# Altium PCB UmTRXv2.PcbDoc (part 16 of 25) (continued)
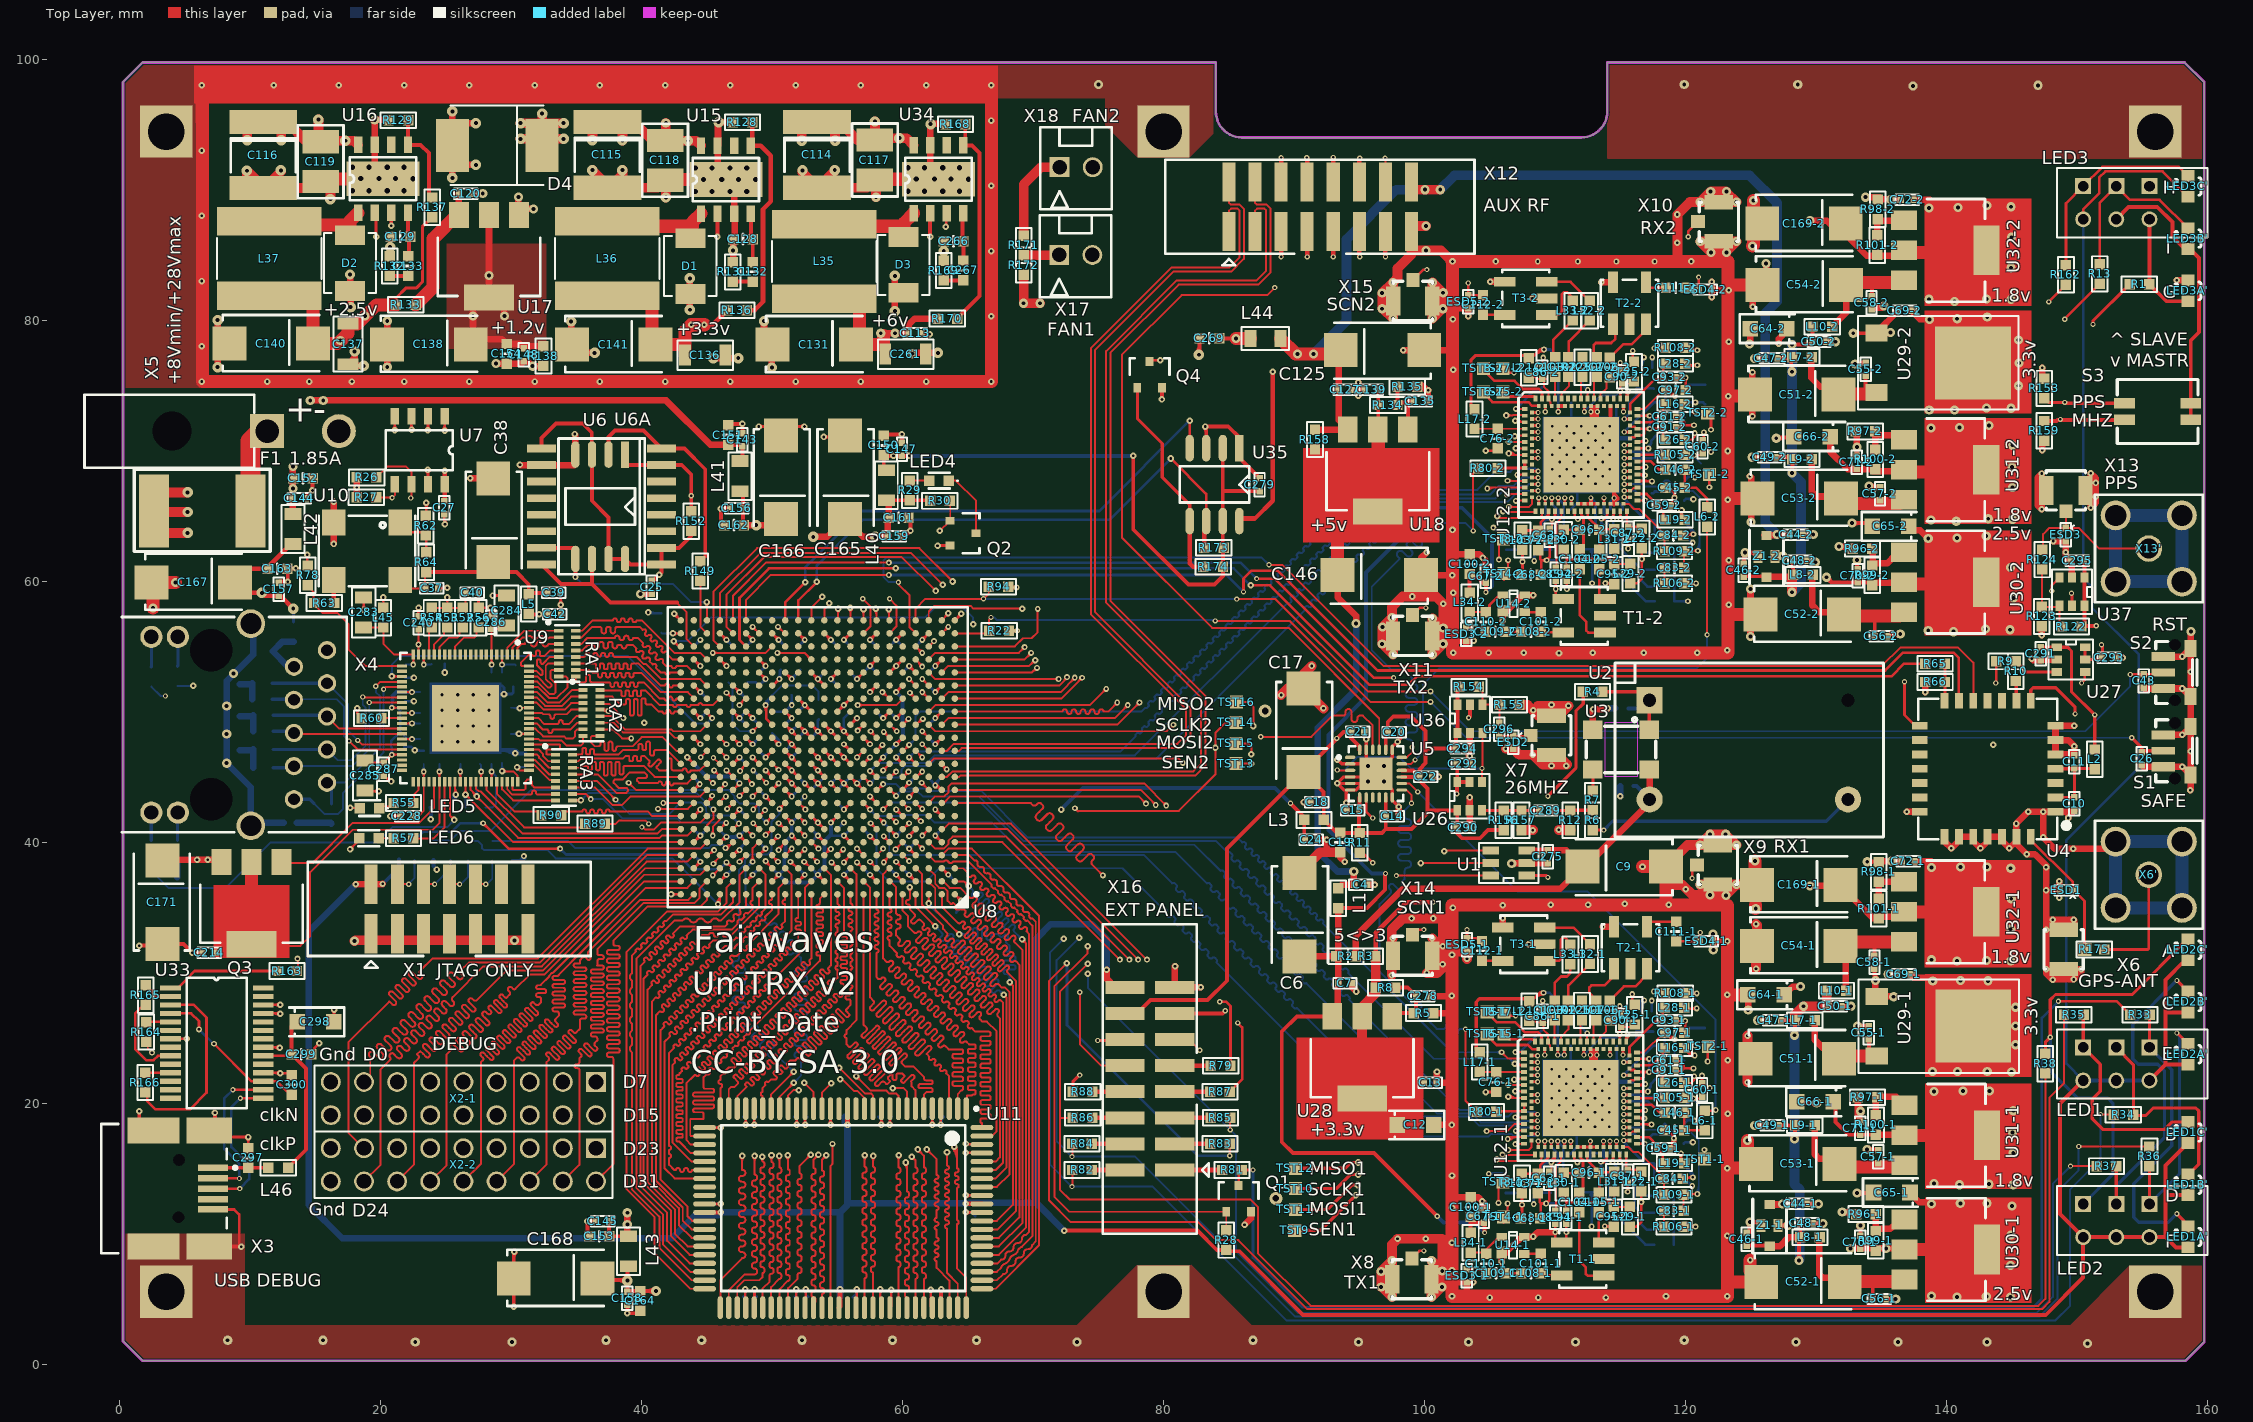
[diagram p0: Top Layer view]
## Nets (pads, with @x,y where several pads share a name; then routed paths per layer and width w, separated by ;. In a path a pad name is that pad's centre, name@x,y a point inside that pad or via, vN(x,y) a via of type N, cw(c..) or ccw(c..) an arc to the next point about the centre after c; other vN are vias at no path point) (continued)
RAM_A19: U8.A15 U11.43 | length 39.8
  Top Layer w0.15: 42.04,27.973 41.998,27.931 ccw(c42.083,27.846) 41.998,27.761 42.055,27.705 42.111,27.648 cw(c42.026,27.563) 42.111,27.478 42.069,27.436 cw(c41.984,27.521) 41.899,27.436 41.842,27.492 41.786,27.549 ccw(c41.701,27.464) 41.616,27.549 41.574,27.507 ccw(c41.659,27.422) 41.574,27.337 41.687,27.224 cw(c41.602,27.139) 41.687,27.054 41.644,27.012 cw(c41.56,27.096) 41.475,27.012 ccw(c41.418,26.955) 41.362,27.012 41.1,26.75 41.1,14.05 43.15,12 43.15,11 43.825,10.325 U11.43@44.825,10.325 ; 42.041,27.973 cw(c42.125,27.888) 42.21,27.973 42.267,27.917 42.323,27.86 ccw(c42.408,27.945) 42.493,27.86 42.535,27.903 ccw(c42.451,27.987) 42.535,28.072 42.479,28.129 42.422,28.185 ; 42.422,28.186 cw(c42.507,28.27) 42.422,28.355 42.465,28.398 ; 42.465,28.398 cw(c42.55,28.313) 42.634,28.398 42.691,28.341 42.748,28.284 ccw(c42.832,28.369) 42.917,28.284 42.96,28.327 ; 42.96,28.327 ccw(c42.875,28.412) 42.96,28.497 42.903,28.553 42.847,28.61 cw(c42.931,28.695) 42.846,28.779 42.889,28.822 cw(c42.974,28.737) 43.059,28.822 43.115,28.765 43.172,28.709 ccw(c43.257,28.794) 43.341,28.709 43.384,28.751 ccw(c43.299,28.836) 43.384,28.921 ; 43.384,28.921 43.271,29.034 cw(c43.356,29.119) 43.271,29.204 43.313,29.246 cw(c43.398,29.161) 43.483,29.246 43.54,29.19 43.596,29.133 ccw(c43.681,29.218) 43.766,29.133 ; 43.766,29.133 43.808,29.175 ccw(c43.723,29.26) 43.808,29.345 43.752,29.402 43.695,29.458 cw(c43.78,29.543) 43.695,29.628 43.737,29.67 cw(c43.822,29.585) 43.907,29.67 43.964,29.614 44.02,29.557 ccw(c44.105,29.642) 44.19,29.557 ; 44.119,30.052 ccw(c44.204,29.967) 44.119,29.882 44.176,29.826 44.232,29.769 cw(c44.148,29.684) 44.232,29.6 44.19,29.557 ; 44.119,30.052 44.162,30.095 cw(c44.247,30.01) 44.331,30.095 44.388,30.038 44.445,29.981 ccw(c44.529,30.066) 44.614,29.981 44.657,30.024 ccw(c44.572,30.109) 44.657,30.194 44.6,30.25 44.544,30.307 cw(c44.628,30.392) 44.543,30.476 44.586,30.519 cw(c44.671,30.434) 44.756,30.519 44.812,30.462 44.869,30.406 ccw(c44.954,30.491) 45.038,30.406 45.081,30.448 ccw(c44.996,30.533) 45.081,30.618 45.024,30.674 44.968,30.731 cw(c45.053,30.816) 44.968,30.901 45.01,30.943 cw(c45.095,30.858) 45.18,30.943 45.237,30.887 45.293,30.83 ccw(c45.378,30.915) 45.463,30.83 45.505,30.872 ccw(c45.42,30.957) 45.505,31.042 45.449,31.099 45.392,31.155 cw(c45.477,31.24) 45.392,31.325 ; 45.392,31.325 45.435,31.367 cw(c45.519,31.283) 45.604,31.367 45.661,31.311 45.717,31.254 ccw(c45.802,31.339) 45.887,31.254 ; 45.816,31.749 ccw(c45.901,31.664) 45.816,31.58 45.873,31.523 45.93,31.466 cw(c45.845,31.382) 45.93,31.297 45.887,31.254 ; 45.816,31.749 45.859,31.792 cw(c45.944,31.707) 46.029,31.792 ccw(c46.085,31.848) 46.142,31.792 46.4,32.05 46.77,32.05 cw(c46.77,31.97) 46.85,31.97 ccw(c46.97,31.97) 46.97,31.85 47.03,31.85 ccw(c47.03,31.97) 47.15,31.97 cw(c47.23,31.97) 47.23,32.05 47.501,32.321 cw(c47.523,32.3) 47.544,32.321 ccw(c47.629,32.406) 47.714,32.321 47.756,32.364 ccw(c47.671,32.449) 47.756,32.534 cw(c47.777,32.555) 47.756,32.576 47.926,32.746 cw(c47.947,32.724) 47.968,32.746 ccw(c48.053,32.831) 48.138,32.746 48.18,32.788 ccw(c48.095,32.873) 48.18,32.958 cw(c48.201,32.979) 48.18,33 ; 48.18,33 48.35,33.17 cw(c48.371,33.149) 48.392,33.17 ccw(c48.477,33.255) 48.562,33.17 48.604,33.212 ccw(c48.52,33.297) 48.604,33.382 cw(c48.626,33.403) 48.604,33.424 48.774,33.594 cw(c48.795,33.573) 48.817,33.594 ccw(c48.901,33.679) 48.986,33.594 49.029,33.637 ccw(c48.944,33.721) 49.029,33.806 cw(c49.05,33.828) 49.029,33.849 49.198,34.018 ; 49.199,34.019 cw(c49.22,33.997) 49.241,34.018 ccw(c49.326,34.103) 49.411,34.018 49.453,34.061 ccw(c49.368,34.146) 49.453,34.231 cw(c49.474,34.252) 49.453,34.273 50,34.82 50,35.13 ccw(c49.88,35.13) 49.88,35.25 49.87,35.25 cw(c49.87,35.37) 49.75,35.37 49.75,35.43 cw(c49.87,35.43) 49.87,35.55 49.88,35.55 ccw(c49.88,35.67) 50,35.67 U8.A15@50,36
RAM_A20: U8.B14 U11.42 | length 39.9
  Top Layer w0.15: 42.56,26.993 ccw(c42.645,26.908) 42.56,26.823 42.617,26.767 42.673,26.71 cw(c42.588,26.625) 42.673,26.541 42.631,26.498 ; 42.56,26.993 42.603,27.035 cw(c42.687,26.951) 42.772,27.035 42.829,26.979 42.885,26.922 ccw(c42.97,27.007) 43.055,26.922 43.098,26.965 ccw(c43.013,27.05) 43.098,27.134 43.041,27.191 42.984,27.248 cw(c43.069,27.332) 42.984,27.417 ; 42.631,26.498 cw(c42.546,26.583) 42.461,26.498 42.405,26.555 42.348,26.611 ccw(c42.263,26.526) 42.178,26.611 42.136,26.569 ccw(c42.221,26.484) 42.136,26.399 42.192,26.342 42.249,26.286 cw(c42.164,26.201) 42.249,26.116 42.207,26.074 cw(c42.122,26.159) 42.037,26.074 41.924,26.187 ccw(c41.839,26.102) 41.754,26.187 41.712,26.144 ccw(c41.796,26.06) 41.712,25.975 cw(c41.655,25.918) 41.712,25.862 41.45,25.6 41.45,14.132 43.5,12.082 43.5,11.35 43.875,10.975 U11.42@44.825,10.975 ; 42.984,27.417 43.027,27.46 cw(c43.112,27.375) 43.197,27.46 43.253,27.403 43.31,27.347 ccw(c43.395,27.431) 43.479,27.346 43.522,27.389 ccw(c43.437,27.474) 43.522,27.559 43.465,27.615 43.409,27.672 cw(c43.494,27.757) 43.409,27.841 43.451,27.884 ; 43.451,27.884 cw(c43.536,27.799) 43.621,27.884 43.734,27.771 ccw(c43.819,27.856) 43.904,27.771 43.946,27.813 ; 43.875,28.308 43.833,28.266 ccw(c43.918,28.181) 43.833,28.096 43.89,28.04 43.946,27.983 cw(c43.861,27.898) 43.946,27.813 ; 43.876,28.308 cw(c43.96,28.223) 44.045,28.308 44.102,28.252 44.158,28.195 ccw(c44.243,28.28) 44.328,28.195 44.37,28.238 ; 44.371,28.238 ccw(c44.285,28.322) 44.37,28.407 44.314,28.464 44.257,28.52 cw(c44.342,28.605) 44.257,28.69 44.3,28.732 cw(c44.384,28.648) 44.469,28.733 44.526,28.676 44.582,28.619 ccw(c44.667,28.704) 44.752,28.619 44.795,28.662 ccw(c44.71,28.747) 44.795,28.831 44.738,28.888 44.681,28.945 cw(c44.766,29.029) 44.681,29.114 44.724,29.157 cw(c44.809,29.072) 44.894,29.157 44.95,29.1 45.007,29.044 ccw(c45.092,29.128) 45.176,29.043 45.219,29.086 ccw(c45.134,29.171) 45.219,29.256 45.162,29.312 45.106,29.369 cw(c45.191,29.454) 45.106,29.538 45.148,29.581 cw(c45.233,29.496) 45.318,29.581 45.374,29.524 45.431,29.468 ccw(c45.516,29.553) 45.601,29.468 45.643,29.51 ; 45.53,29.793 45.587,29.737 45.643,29.68 cw(c45.558,29.595) 45.643,29.51 ; 45.53,29.793 cw(c45.615,29.878) 45.53,29.963 45.572,30.005 ; 45.573,30.005 cw(c45.657,29.92) 45.742,30.005 45.799,29.949 45.855,29.892 ccw(c45.94,29.977) 46.025,29.892 46.067,29.935 ; 46.068,29.935 ccw(c45.983,30.019) 46.067,30.104 46.011,30.161 45.954,30.217 cw(c46.039,30.302) 45.954,30.387 45.997,30.43 cw(c46.082,30.345) 46.166,30.43 ; 46.166,30.43 46.223,30.373 46.28,30.316 ccw(c46.364,30.401) 46.449,30.316 46.492,30.359 ccw(c46.407,30.444) 46.492,30.528 46.379,30.642 cw(c46.463,30.727) 46.378,30.811 46.421,30.854 cw(c46.506,30.769) 46.591,30.854 46.647,30.797 46.704,30.741 ccw(c46.789,30.826) 46.873,30.741 46.916,30.783 ccw(c46.831,30.868) 46.916,30.953 46.859,31.009 46.803,31.066 cw(c46.888,31.151) 46.803,31.235 ; 46.803,31.236 46.845,31.278 cw(c46.93,31.193) 47.015,31.278 47.018,31.275 ccw(c47.071,31.329) 47.125,31.275 47.275,31.275 47.499,31.499 ccw(c47.443,31.556) 47.499,31.613 cw(c47.584,31.697) 47.499,31.782 47.542,31.825 cw(c47.627,31.74) 47.711,31.825 47.768,31.768 47.825,31.712 ccw(c47.91,31.796) 47.994,31.712 48.037,31.754 ccw(c47.952,31.839) 48.037,31.924 cw(c48.093,31.98) 48.037,32.037 50.5,34.5 50.5,36.5 U8.B14@51,37
RAM_BWN0: U8.C4 U11.93 | length 40.3
  Top Layer w0.15: U8.C4@61,38 61.05,38 61.5,37.55 61.5,35.199 63.1,33.599 63.1,33.35 63.394,33.056 cw(c63.27,32.932) 63.394,32.809 63.298,32.713 ccw(c63.422,32.589) 63.298,32.466 ccw(c63.422,32.589) 63.546,32.466 63.641,32.561 cw(c63.765,32.438) 63.889,32.561 cw(c63.765,32.438) 63.889,32.314 63.793,32.218 ccw(c63.917,32.094) 63.793,31.971 ccw(c63.917,32.094) 64.041,31.971 64.479,32.409 cw(c64.603,32.286) 64.727,32.409 cw(c64.603,32.286) 64.727,32.162 64.507,31.943 64.29,31.725 ccw(c64.414,31.602) 64.29,31.478 ccw(c64.414,31.602) 64.538,31.478 64.755,31.695 64.974,31.914 cw(c65.098,31.791) 65.222,31.914 cw(c65.098,31.791) 65.222,31.667 65.002,31.448 64.788,31.233 ccw(c64.912,31.109) 64.788,30.985 ccw(c64.912,31.109) 65.035,30.985 65.25,31.2 65.469,31.419 cw(c65.593,31.296) 65.717,31.419 cw(c65.593,31.296) 65.717,31.172 65.278,30.733 ccw(c65.402,30.609) 65.278,30.486 ccw(c65.402,30.609) 65.526,30.486 65.964,30.924 cw(c66.088,30.801) 66.212,30.924 cw(c66.088,30.801) 66.212,30.677 65.773,30.238 ccw(c65.897,30.115) 65.773,29.991 ccw(c65.897,30.115) 66.02,29.991 66.24,30.21 66.459,30.43 cw(c66.583,30.306) 66.707,30.43 cw(c66.583,30.306) 66.707,30.182 66.268,29.743 ccw(c66.392,29.62) 66.268,29.496 ccw(c66.392,29.62) 66.515,29.496 66.954,29.935 cw(c67.078,29.811) 67.202,29.935 cw(c67.078,29.811) 67.202,29.687 66.763,29.248 ccw(c66.887,29.125) 66.763,29.001 ; U11.93@66.075,13.575 67.225,13.575 68.2,14.55 68.2,28.499 67.85,28.849 67.601,28.849 67.354,29.096 ccw(c67.23,28.973) 67.106,29.096 67.01,29.001 cw(c66.887,29.125) 66.763,29.001
RAM_BWN1: U8.A4 U11.94 | length 49.4
  Top Layer w0.15: U8.A4@61,36 61,35.05 v1(62.5,33.55) ; U11.94@66.075,14.225 67.125,14.225 67.95,15.05 67.95,28.1 ; v1(67.75,28.3) 67.95,28.1 ; 62.201,33.849 cw(c61.903,33.55) v1@62.325,33.55 ; 62.201,33.849 ccw(c62.5,34.147) v1@62.5,33.725 ; 62.201,33.849 ccw(c62.5,34.147) v1@62.5,33.725 ; 62.201,33.849 cw(c61.903,33.55) v1@62.325,33.55 ; 62.201,33.849 ccw(c62.5,34.147) v1@62.5,33.725 ; 62.201,33.849 cw(c61.903,33.55) v1@62.325,33.55 ; 62.24,33.795 cw(c62.156,33.48) v1@62.476,33.545 ; 62.24,33.795 cw(c62.156,33.48) v1@62.476,33.545 ; 62.24,33.795 cw(c62.156,33.48) v1@62.476,33.545 ; 62.255,33.81 ccw(c62.57,33.894) v1@62.505,33.574 ; 62.255,33.81 ccw(c62.57,33.894) v1@62.505,33.574 ; 62.255,33.81 ccw(c62.57,33.894) v1@62.505,33.574 ; v1@67.806,28.134 cw(c67.85,28) 67.95,28.1 ; v1@67.806,28.134 cw(c67.85,28) 67.95,28.1 ; v1@67.806,28.134 cw(c67.85,28) 67.95,28.1 ; v1@67.916,28.244 ccw(c68.05,28.2) 67.95,28.1 ; v1@67.916,28.244 ccw(c68.05,28.2) 67.95,28.1 ; v1@67.916,28.244 ccw(c68.05,28.2) 67.95,28.1
  Bottom Layer w0.15: v1(62.5,33.55) 62.995,33.055 cw(c62.871,32.931) 62.995,32.807 62.89,32.702 ccw(c63.014,32.578) 62.89,32.455 ccw(c63.014,32.578) 63.138,32.455 63.595,32.912 cw(c63.719,32.789) 63.843,32.912 cw(c63.719,32.789) 63.843,32.665 63.385,32.207 ccw(c63.509,32.083) 63.385,31.96 ccw(c63.509,32.083) 63.632,31.96 63.861,32.189 64.09,32.418 cw(c64.214,32.294) 64.338,32.418 cw(c64.214,32.294) 64.338,32.17 63.88,31.712 ccw(c64.004,31.588) 63.88,31.465 ccw(c64.004,31.588) 64.127,31.465 64.585,31.923 cw(c64.709,31.799) 64.833,31.923 cw(c64.709,31.799) 64.833,31.675 64.375,31.217 ccw(c64.499,31.093) 64.375,30.97 ccw(c64.499,31.093) 64.622,30.97 65.08,31.428 cw(c65.204,31.304) 65.328,31.428 cw(c65.204,31.304) 65.328,31.18 65.099,30.951 64.87,30.722 ccw(c64.994,30.598) 64.87,30.475 ccw(c64.994,30.598) 65.117,30.475 65.575,30.933 cw(c65.699,30.809) 65.823,30.933 cw(c65.699,30.809) 65.823,30.685 65.365,30.227 ccw(c65.489,30.103) 65.365,29.98 ccw(c65.489,30.103) 65.612,29.98 66.07,30.438 cw(c66.194,30.314) 66.318,30.438 cw(c66.194,30.314) 66.318,30.19 66.089,29.961 65.86,29.732 ccw(c65.984,29.608) 65.86,29.485 ccw(c65.984,29.608) 66.107,29.485 66.565,29.943 cw(c66.689,29.819) 66.813,29.943 cw(c66.689,29.819) 66.813,29.695 66.355,29.237 ccw(c66.479,29.114) 66.355,28.99 ccw(c66.479,29.114) 66.602,28.99 67.06,29.448 cw(c67.184,29.324) 67.308,29.448 cw(c67.184,29.324) 67.308,29.2 66.85,28.742 ccw(c66.974,28.619) 66.85,28.495 ccw(c66.974,28.619) 67.097,28.495 67.203,28.6 cw(c67.326,28.476) 67.45,28.6 v1(67.75,28.3) ; v1@62.5,33.375 cw(c62.5,32.953) 62.799,33.251 ; v1@62.5,33.375 cw(c62.5,32.953) 62.799,33.251 ; v1@62.5,33.375 cw(c62.5,32.953) 62.799,33.251 ; v1@62.675,33.55 ccw(c63.097,33.55) 62.799,33.251 ; v1@62.675,33.55 ccw(c63.097,33.55) 62.799,33.251 ; v1@62.675,33.55 ccw(c63.097,33.55) 62.799,33.251 ; 67.451,28.599 cw(c67.153,28.3) v1@67.575,28.3 ; 67.451,28.599 ccw(c67.75,28.897) v1@67.75,28.475 ; 67.451,28.599 ccw(c67.75,28.897) v1@67.75,28.475 ; 67.451,28.599 cw(c67.153,28.3) v1@67.575,28.3 ; 67.451,28.599 ccw(c67.75,28.897) v1@67.75,28.475 ; 67.451,28.599 cw(c67.153,28.3) v1@67.575,28.3
RAM_BWN2: U8.D5 U11.95 | length 40.4
  Top Layer w0.15: U8.D5@60,39 60.05,39 v2(60.5,38.55) ; v1(60.55,36.55) 60.5,36.5 60.55,36.45 60.55,35.7 cw(c60.425,35.7) 60.425,35.575 ccw(c60.425,35.4) 60.25,35.4 ccw(c60.425,35.4) 60.425,35.225 cw(c60.425,35.1) 60.55,35.1 60.55,34.85 60.897,34.503 cw(c60.774,34.379) 60.897,34.255 60.701,34.059 ccw(c60.825,33.935) 60.701,33.811 ccw(c60.825,33.935) 60.949,33.811 61.145,34.008 cw(c61.269,33.884) 61.392,34.008 61.61,33.79 cw(c61.504,33.684) 61.61,33.578 61.554,33.521 ccw(c61.66,33.415) 61.554,33.309 ccw(c61.66,33.415) 61.766,33.309 61.822,33.365 cw(c61.929,33.259) 62.035,33.365 cw(c61.929,33.259) 62.035,33.153 61.969,33.088 ccw(c62.075,32.982) 61.969,32.876 ccw(c62.075,32.982) 62.181,32.876 62.247,32.941 cw(c62.353,32.835) 62.459,32.941 cw(c62.353,32.835) 62.459,32.729 62.371,32.642 ccw(c62.477,32.535) 62.371,32.429 ccw(c62.477,32.535) 62.583,32.429 62.671,32.517 cw(c62.777,32.411) 62.883,32.517 cw(c62.777,32.411) 62.883,32.305 62.757,32.179 ccw(c62.863,32.073) 62.757,31.967 ccw(c62.863,32.073) 62.97,31.967 63.095,32.093 cw(c63.201,31.987) 63.307,32.093 cw(c63.201,31.987) 63.307,31.88 63.201,31.774 ccw(c63.307,31.668) 63.201,31.562 ccw(c63.307,31.668) 63.413,31.562 63.519,31.668 cw(c63.626,31.562) 63.732,31.668 cw(c63.626,31.562) 63.732,31.456 63.656,31.38 ccw(c63.762,31.274) 63.656,31.168 ccw(c63.762,31.274) 63.868,31.168 63.944,31.244 cw(c64.05,31.138) 64.156,31.244 cw(c64.05,31.138) 64.156,31.032 64.096,30.972 ccw(c64.202,30.866) 64.096,30.76 ccw(c64.202,30.866) 64.308,30.76 64.368,30.82 cw(c64.474,30.714) 64.58,30.82 cw(c64.474,30.714) 64.58,30.608 64.524,30.551 ccw(c64.63,30.445) 64.524,30.339 ccw(c64.63,30.445) 64.736,30.339 64.792,30.396 cw(c64.898,30.29) 65.004,30.396 cw(c64.898,30.29) 65.004,30.183 64.939,30.118 ccw(c65.045,30.012) 64.939,29.906 ccw(c65.045,30.012) 65.151,29.906 65.217,29.971 cw(c65.323,29.865) 65.429,29.971 cw(c65.323,29.865) 65.429,29.759 65.341,29.672 ccw(c65.447,29.566) 65.341,29.46 ccw(c65.447,29.566) 65.553,29.46 65.641,29.547 cw(c65.747,29.441) 65.853,29.547 cw(c65.747,29.441) 65.853,29.335 65.727,29.209 ccw(c65.833,29.103) 65.727,28.997 ccw(c65.833,29.103) 65.939,28.997 66.065,29.123 cw(c66.171,29.017) 66.277,29.123 cw(c66.171,29.017) 66.277,28.911 66.17,28.804 ccw(c66.276,28.698) 66.17,28.592 ccw(c66.276,28.698) 66.383,28.592 66.489,28.699 cw(c66.595,28.592) 66.701,28.699 cw(c66.595,28.592) 66.701,28.486 66.625,28.41 ccw(c66.731,28.304) 66.625,28.198 ccw(c66.731,28.304) 66.838,28.198 66.914,28.274 cw(c67.02,28.168) 67.126,28.274 cw(c67.02,28.168) 67.126,28.062 67.066,28.002 ccw(c67.172,27.896) 67.066,27.79 ccw(c67.172,27.896) 67.278,27.79 67.338,27.85 cw(c67.444,27.744) 67.55,27.85 67.7,27.7 67.7,15.45 67.125,14.875 U11.95@66.075,14.875 ; v1@60.426,36.426 cw(c60.128,36.128) 60.55,36.128 ; v1@60.426,36.426 cw(c60.128,36.128) 60.55,36.128 ; v1@60.426,36.426 cw(c60.128,36.128) 60.55,36.128 ; 60.55,36.128 cw(c60.972,36.128) v1@60.674,36.426 ; 60.55,36.128 cw(c60.972,36.128) v1@60.674,36.426 ; 60.55,36.128 cw(c60.972,36.128) v1@60.674,36.426
  Mid-Layer 2 w0.15: v2(60.5,38.55) 60,38.05 60,37.1 v1(60.55,36.55)
RAM_BWN3: U8.A5 U11.96 | length 40.3
  Top Layer w0.15: U8.A5@60,36 60,34.75 60.4,34.35 60.4,33.55 60.865,33.085 ccw(c60.989,33.208) 61.113,33.085 61.141,33.112 cw(c61.264,32.989) 61.388,33.112 cw(c61.264,32.989) 61.388,32.865 61.237,32.713 61.085,32.562 ccw(c61.209,32.438) 61.085,32.314 ccw(c61.209,32.438) 61.333,32.314 61.484,32.466 61.636,32.617 cw(c61.759,32.494) 61.883,32.617 cw(c61.759,32.494) 61.883,32.37 61.732,32.218 61.58,32.067 ccw(c61.704,31.943) 61.58,31.82 ccw(c61.704,31.943) 61.828,31.82 62.13,32.122 cw(c62.254,31.999) 62.378,32.122 cw(c62.254,31.999) 62.378,31.875 62.075,31.572 ccw(c62.199,31.448) 62.075,31.325 ccw(c62.199,31.448) 62.323,31.325 62.474,31.476 62.625,31.627 cw(c62.749,31.504) 62.873,31.627 cw(c62.749,31.504) 62.873,31.38 62.721,31.229 62.57,31.077 ccw(c62.694,30.953) 62.57,30.83 ccw(c62.694,30.953) 62.818,30.83 62.969,30.981 63.12,31.132 cw(c63.244,31.009) 63.368,31.132 cw(c63.244,31.009) 63.368,30.885 63.065,30.582 ccw(c63.189,30.458) 63.065,30.335 ccw(c63.189,30.458) 63.312,30.335 63.464,30.486 63.615,30.638 cw(c63.739,30.514) 63.863,30.638 cw(c63.739,30.514) 63.863,30.39 63.711,30.239 63.56,30.087 ccw(c63.684,29.963) 63.56,29.84 ccw(c63.684,29.963) 63.807,29.84 63.959,29.991 64.11,30.143 cw(c64.234,30.019) 64.358,30.143 ; 64.358,30.143 cw(c64.234,30.019) 64.358,29.895 64.055,29.592 ccw(c64.179,29.468) 64.055,29.345 ccw(c64.179,29.468) 64.302,29.345 64.605,29.648 cw(c64.729,29.524) 64.853,29.648 cw(c64.729,29.524) 64.853,29.4 64.701,29.249 64.55,29.097 ccw(c64.674,28.973) 64.55,28.85 ccw(c64.674,28.973) 64.797,28.85 64.949,29.001 65.1,29.153 cw(c65.224,29.029) 65.348,29.153 cw(c65.224,29.029) 65.348,28.905 65.196,28.754 65.045,28.602 ccw(c65.169,28.478) 65.045,28.355 ccw(c65.169,28.478) 65.292,28.355 65.595,28.658 cw(c65.719,28.534) 65.843,28.658 cw(c65.719,28.534) 65.843,28.41 65.691,28.259 65.54,28.107 ccw(c65.664,27.983) 65.54,27.86 ccw(c65.664,27.983) 65.787,27.86 65.939,28.011 66.09,28.163 cw(c66.214,28.039) 66.338,28.163 cw(c66.214,28.039) 66.338,27.915 66.186,27.764 66.035,27.612 ccw(c66.159,27.488) 66.035,27.365 ccw(c66.159,27.488) 66.282,27.365 66.585,27.668 cw(c66.709,27.544) 66.833,27.668 cw(c66.709,27.544) 66.833,27.42 66.53,27.117 ccw(c66.654,26.994) 66.53,26.87 ccw(c66.654,26.994) 66.777,26.87 66.929,27.021 67.08,27.173 cw(c67.204,27.049) 67.328,27.173 cw(c67.204,27.049) 67.328,26.925 67.3,26.897 ccw(c67.424,26.774) 67.3,26.65 67.45,26.5 67.45,15.85 67.125,15.525 U11.96@66.075,15.525
RAM_CENN: U8.C3 U11.87 | length 40.6
  Top Layer w0.15: U8.C3@61.975,37.975 62.5,37.45 62.5,36.804 62.75,36.554 62.75,36.55 62.8,36.5 63.196,36.5 63.45,36.246 63.45,35.5 63.678,35.272 ccw(c63.731,35.325) 63.784,35.272 63.819,35.307 cw(c63.872,35.254) 63.926,35.307 64.032,35.201 cw(c63.979,35.148) 64.032,35.095 63.996,35.06 ccw(c64.049,35.007) 63.996,34.954 64.1,34.85 64.7,34.85 64.801,34.749 cw(c64.712,34.661) 64.801,34.573 ccw(c64.924,34.449) 64.801,34.325 ccw(c64.924,34.449) 65.048,34.325 65.136,34.414 65.225,34.502 cw(c65.349,34.378) 65.472,34.502 cw(c65.349,34.378) 65.472,34.254 65.384,34.166 65.296,34.078 ccw(c65.419,33.954) 65.296,33.83 ccw(c65.419,33.954) 65.543,33.83 65.631,33.919 65.72,34.007 cw(c65.844,33.883) 65.967,34.007 cw(c65.844,33.883) 65.967,33.759 65.879,33.671 65.791,33.583 ccw(c65.914,33.459) 65.791,33.335 ccw(c65.914,33.459) 66.038,33.335 66.126,33.424 66.215,33.512 cw(c66.339,33.388) 66.462,33.512 cw(c66.339,33.388) 66.462,33.265 66.374,33.176 66.285,33.088 ccw(c66.409,32.964) 66.285,32.84 ccw(c66.409,32.964) 66.533,32.84 66.621,32.929 66.71,33.017 cw(c66.833,32.893) 66.957,33.017 cw(c66.833,32.893) 66.957,32.77 66.78,32.593 ccw(c66.904,32.469) 66.78,32.345 ccw(c66.904,32.469) 67.028,32.345 67.116,32.434 67.205,32.522 cw(c67.328,32.398) 67.452,32.522 cw(c67.328,32.398) 67.452,32.275 67.364,32.186 67.275,32.098 ccw(c67.399,31.974) 67.275,31.85 ccw(c67.399,31.974) 67.523,31.85 67.611,31.939 67.7,32.027 cw(c67.823,31.903) 67.947,32.027 cw(c67.823,31.903) 67.947,31.78 67.859,31.691 67.77,31.603 ccw(c67.894,31.479) 67.77,31.355 ccw(c67.894,31.479) 68.018,31.355 68.106,31.444 68.195,31.532 cw(c68.318,31.408) 68.442,31.532 cw(c68.318,31.408) 68.442,31.285 68.354,31.196 68.265,31.108 ccw(c68.389,30.984) 68.265,30.86 ccw(c68.389,30.984) 68.513,30.86 cw(c68.601,30.772) 68.69,30.86 68.95,30.6 68.95,11.25 67.375,9.675 U11.87@66.075,9.675
RAM_CLK: U8.B3 U11.89 | length 49.9
  Top Layer w0.15: U8.B3@61.975,36.975 62.5,36.45 62.5,34.8 v1(64.35,32.95) ; U11.89@66.075,10.975 67.225,10.975 68.45,12.2 68.45,29 ; v1(68.2,29.25) 68.45,29 ; 64.051,33.249 cw(c63.753,32.95) v1@64.175,32.95 ; 64.051,33.249 ccw(c64.35,33.547) v1@64.35,33.125 ; 64.051,33.249 ccw(c64.35,33.547) v1@64.35,33.125 ; 64.051,33.249 cw(c63.753,32.95) v1@64.175,32.95 ; 64.051,33.249 ccw(c64.35,33.547) v1@64.35,33.125 ; 64.051,33.249 cw(c63.753,32.95) v1@64.175,32.95 ; 64.09,33.195 cw(c64.006,32.88) v1@64.326,32.945 ; 64.09,33.195 cw(c64.006,32.88) v1@64.326,32.945 ; 64.09,33.195 cw(c64.006,32.88) v1@64.326,32.945 ; 64.105,33.21 ccw(c64.42,33.294) v1@64.355,32.974 ; 64.105,33.21 ccw(c64.42,33.294) v1@64.355,32.974 ; 64.105,33.21 ccw(c64.42,33.294) v1@64.355,32.974 ; v1@68.223,29.077 cw(c68.259,28.809) 68.45,29 ; v1@68.223,29.077 cw(c68.259,28.809) 68.45,29 ; v1@68.223,29.077 cw(c68.259,28.809) 68.45,29 ; v1@68.373,29.227 ccw(c68.641,29.191) 68.45,29 ; v1@68.373,29.227 ccw(c68.641,29.191) 68.45,29 ; v1@68.373,29.227 ccw(c68.641,29.191) 68.45,29
  Bottom Layer w0.15: v1(64.35,32.95) 65,32.95 cw(c65,32.925) 65.025,32.925 65.025,32.658 ccw(c65.2,32.658) 65.2,32.483 ccw(c65.2,32.658) 65.375,32.658 65.375,33.242 cw(c65.55,33.242) 65.55,33.417 cw(c65.55,33.242) 65.725,33.242 65.725,32.658 ccw(c65.9,32.658) 65.9,32.483 ccw(c65.9,32.658) 66.075,32.658 66.075,33.242 cw(c66.25,33.242) 66.25,33.417 cw(c66.25,33.242) 66.425,33.242 66.425,32.658 ccw(c66.6,32.658) 66.6,32.483 ccw(c66.6,32.658) 66.775,32.658 66.775,32.775 cw(c66.95,32.775) 66.95,32.95 67.3,32.95 67.458,32.792 ccw(c67.581,32.916) 67.705,32.792 67.788,32.875 cw(c67.911,32.751) 68.035,32.875 cw(c67.911,32.751) 68.035,32.628 67.953,32.545 ccw(c68.076,32.421) 67.953,32.297 68.2,32.05 68.2,31.8 cw(c68.025,31.8) 68.025,31.625 67.908,31.625 ccw(c67.908,31.45) 67.733,31.45 ccw(c67.908,31.45) 67.908,31.275 68.492,31.275 cw(c68.492,31.1) 68.667,31.1 cw(c68.492,31.1) 68.492,30.925 67.908,30.925 ccw(c67.908,30.75) 67.733,30.75 ccw(c67.908,30.75) 67.908,30.575 68.492,30.575 cw(c68.492,30.4) 68.667,30.4 cw(c68.492,30.4) 68.492,30.225 67.908,30.225 ccw(c67.908,30.05) 67.733,30.05 ccw(c67.908,30.05) 67.908,29.875 68.025,29.875 cw(c68.025,29.7) 68.2,29.7 v1(68.2,29.25) ; v1@64.474,32.826 cw(c64.772,32.528) 64.772,32.95 ; v1@64.474,32.826 cw(c64.772,32.528) 64.772,32.95 ; v1@64.474,32.826 cw(c64.772,32.528) 64.772,32.95 ; v1@64.474,33.074 ccw(c64.772,33.372) 64.772,32.95 ; v1@64.474,33.074 ccw(c64.772,33.372) 64.772,32.95 ; v1@64.474,33.074 ccw(c64.772,33.372) 64.772,32.95 ; v1@68.076,29.374 ccw(c67.778,29.672) 68.2,29.672 ; v1@68.076,29.374 ccw(c67.778,29.672) 68.2,29.672 ; v1@68.076,29.374 ccw(c67.778,29.672) 68.2,29.672 ; 68.2,29.672 ccw(c68.622,29.672) v1@68.324,29.374 ; 68.2,29.672 ccw(c68.622,29.672) v1@68.324,29.374 ; 68.2,29.672 ccw(c68.622,29.672) v1@68.324,29.374
RAM_D00: U8.E12 U11.63 | length 54
  Top Layer w0.15: U8.E12@53,40 53.05,40 v2(53.55,39.5) ; 53.349,39.689 ccw(c53.603,39.757) v2(53.55,39.5) ; 53.361,39.701 cw(c53.293,39.447) v2(53.55,39.5) ; v2@53.375,39.5 ccw(c52.953,39.5) 53.251,39.799 ccw(c53.55,40.097) v2@53.55,39.675 ; v2@53.55,39.55 v2(53.55,39.5) ; U11.63@53.825,4.325 53.825,5.375 ccw(c53.825,5.525) 53.975,5.525 53.975,5.675 ccw(c53.825,5.675) 53.825,5.825 cw(c53.825,5.975) 53.675,5.975 53.675,6.125 cw(c53.825,6.125) 53.825,6.275 ccw(c53.825,6.425) 53.975,6.425 53.975,6.575 ccw(c53.825,6.575) 53.825,6.725 cw(c53.825,6.875) 53.675,6.875 53.675,7.025 cw(c53.825,7.025) 53.825,7.175 ccw(c53.825,7.325) 53.975,7.325 53.975,7.475 ccw(c53.825,7.475) 53.825,7.625 cw(c53.825,7.775) 53.675,7.775 53.675,7.925 cw(c53.825,7.925) 53.825,8.075 ccw(c53.825,8.225) 53.975,8.225 53.975,8.375 ccw(c53.825,8.375) 53.825,8.525 cw(c53.825,8.675) 53.675,8.675 53.675,8.825 cw(c53.825,8.825) 53.825,8.975 ccw(c53.825,9.125) 53.975,9.125 53.975,9.275 ccw(c53.825,9.275) 53.825,9.425 cw(c53.825,9.575) 53.675,9.575 53.675,9.725 cw(c53.825,9.725) 53.825,9.875 ccw(c53.825,10.025) 53.975,10.025 53.975,10.175 ccw(c53.825,10.175) 53.825,10.325 cw(c53.825,10.475) 53.675,10.475 53.675,10.625 cw(c53.825,10.625) 53.825,10.775 ccw(c53.825,10.925) 53.975,10.925 53.975,11.075 ccw(c53.825,11.075) 53.825,11.225 cw(c53.825,11.375) 53.675,11.375 53.675,11.525 cw(c53.825,11.525) 53.825,11.675 ccw(c53.825,11.825) 53.975,11.825 53.975,11.975 ccw(c53.825,11.975) 53.825,12.125 cw(c53.825,12.275) 53.675,12.275 53.675,12.425 cw(c53.825,12.425) 53.825,12.575 ccw(c53.825,12.725) 53.975,12.725 53.975,12.875 ccw(c53.825,12.875) 53.825,13.025 cw(c53.825,13.175) 53.675,13.175 53.675,13.325 cw(c53.825,13.325) 53.825,13.475 ccw(c53.825,13.625) 53.975,13.625 53.975,13.775 ccw(c53.825,13.775) 53.825,13.925 cw(c53.825,14.075) 53.675,14.075 53.675,14.225 cw(c53.825,14.225) 53.825,14.375 ccw(c53.825,14.525) 53.975,14.525 53.975,14.675 ccw(c53.825,14.675) 53.825,14.825 53.825,15.675 v1(54.15,16) ; 53.294,39.756 cw(c53.038,39.5) 53.4,39.5 ccw(c53.038,39.5) 53.294,39.756 ; 53.294,39.756 ccw(c53.55,40.012) 53.55,39.65 cw(c53.55,40.012) 53.294,39.756 ; v2(53.55,39.5) ccw(c53.22,39.409) 53.309,39.74 cw(c53.22,39.409) v2(53.55,39.5) ; v2(53.55,39.5) cw(c53.641,39.83) 53.31,39.741 ccw(c53.641,39.83) v2(53.55,39.5) ; 53.851,15.701 cw(c54.15,15.403) v1@54.15,15.825 ; 53.851,15.701 ccw(c53.553,16) v1@53.975,16 ; 53.851,15.701 ccw(c53.553,16) v1@53.975,16 ; 53.851,15.701 cw(c54.15,15.403) v1@54.15,15.825 ; 53.851,15.701 ccw(c53.553,16) v1@53.975,16 ; 53.851,15.701 cw(c54.15,15.403) v1@54.15,15.825 ; 53.89,15.755 ccw(c53.806,16.07) v1@54.126,16.005 ; 53.89,15.755 ccw(c53.806,16.07) v1@54.126,16.005 ; 53.89,15.755 ccw(c53.806,16.07) v1@54.126,16.005 ; 53.905,15.74 cw(c54.22,15.656) v1@54.155,15.976 ; 53.905,15.74 cw(c54.22,15.656) v1@54.155,15.976 ; 53.905,15.74 cw(c54.22,15.656) v1@54.155,15.976
  MidLayer1 w0.15: v2@53.55,39.325 cw(c53.55,38.903) 53.849,39.201 cw(c54.147,39.5) v2@53.725,39.5 ; v1(54.15,16) 54.05,16.1 54.05,37.095 54.175,37.22 54.175,38.224 54.125,38.274 54.125,38.626 54.175,38.676 54.175,38.875 v2(53.55,39.5) ; v2(53.55,39.5) ccw(c53.88,39.591) 53.791,39.26 cw(c53.88,39.591) v2(53.55,39.5) ; v2(53.55,39.5) cw(c53.459,39.17) 53.79,39.259 ccw(c53.459,39.17) v2(53.55,39.5) ; 53.806,39.244 cw(c54.062,39.5) 53.7,39.5 ccw(c54.062,39.5) 53.806,39.244 ; 53.806,39.244 ccw(c53.55,38.988) 53.55,39.35 cw(c53.55,38.988) 53.806,39.244 ; 54.05,16.302 ccw(c54.452,16.302) v1@54.168,16.018 ; 54.05,16.302 ccw(c54.452,16.302) v1@54.168,16.018 ; 54.05,16.302 ccw(c54.452,16.302) v1@54.168,16.018 ; 54.05,16.664 ccw(c54.814,16.664) v1@54.274,16.124 ; 54.05,16.664 ccw(c54.814,16.664) v1@54.274,16.124 ; 54.05,16.664 ccw(c54.814,16.664) v1@54.274,16.124